# KiCad board panel.kicad_pcb
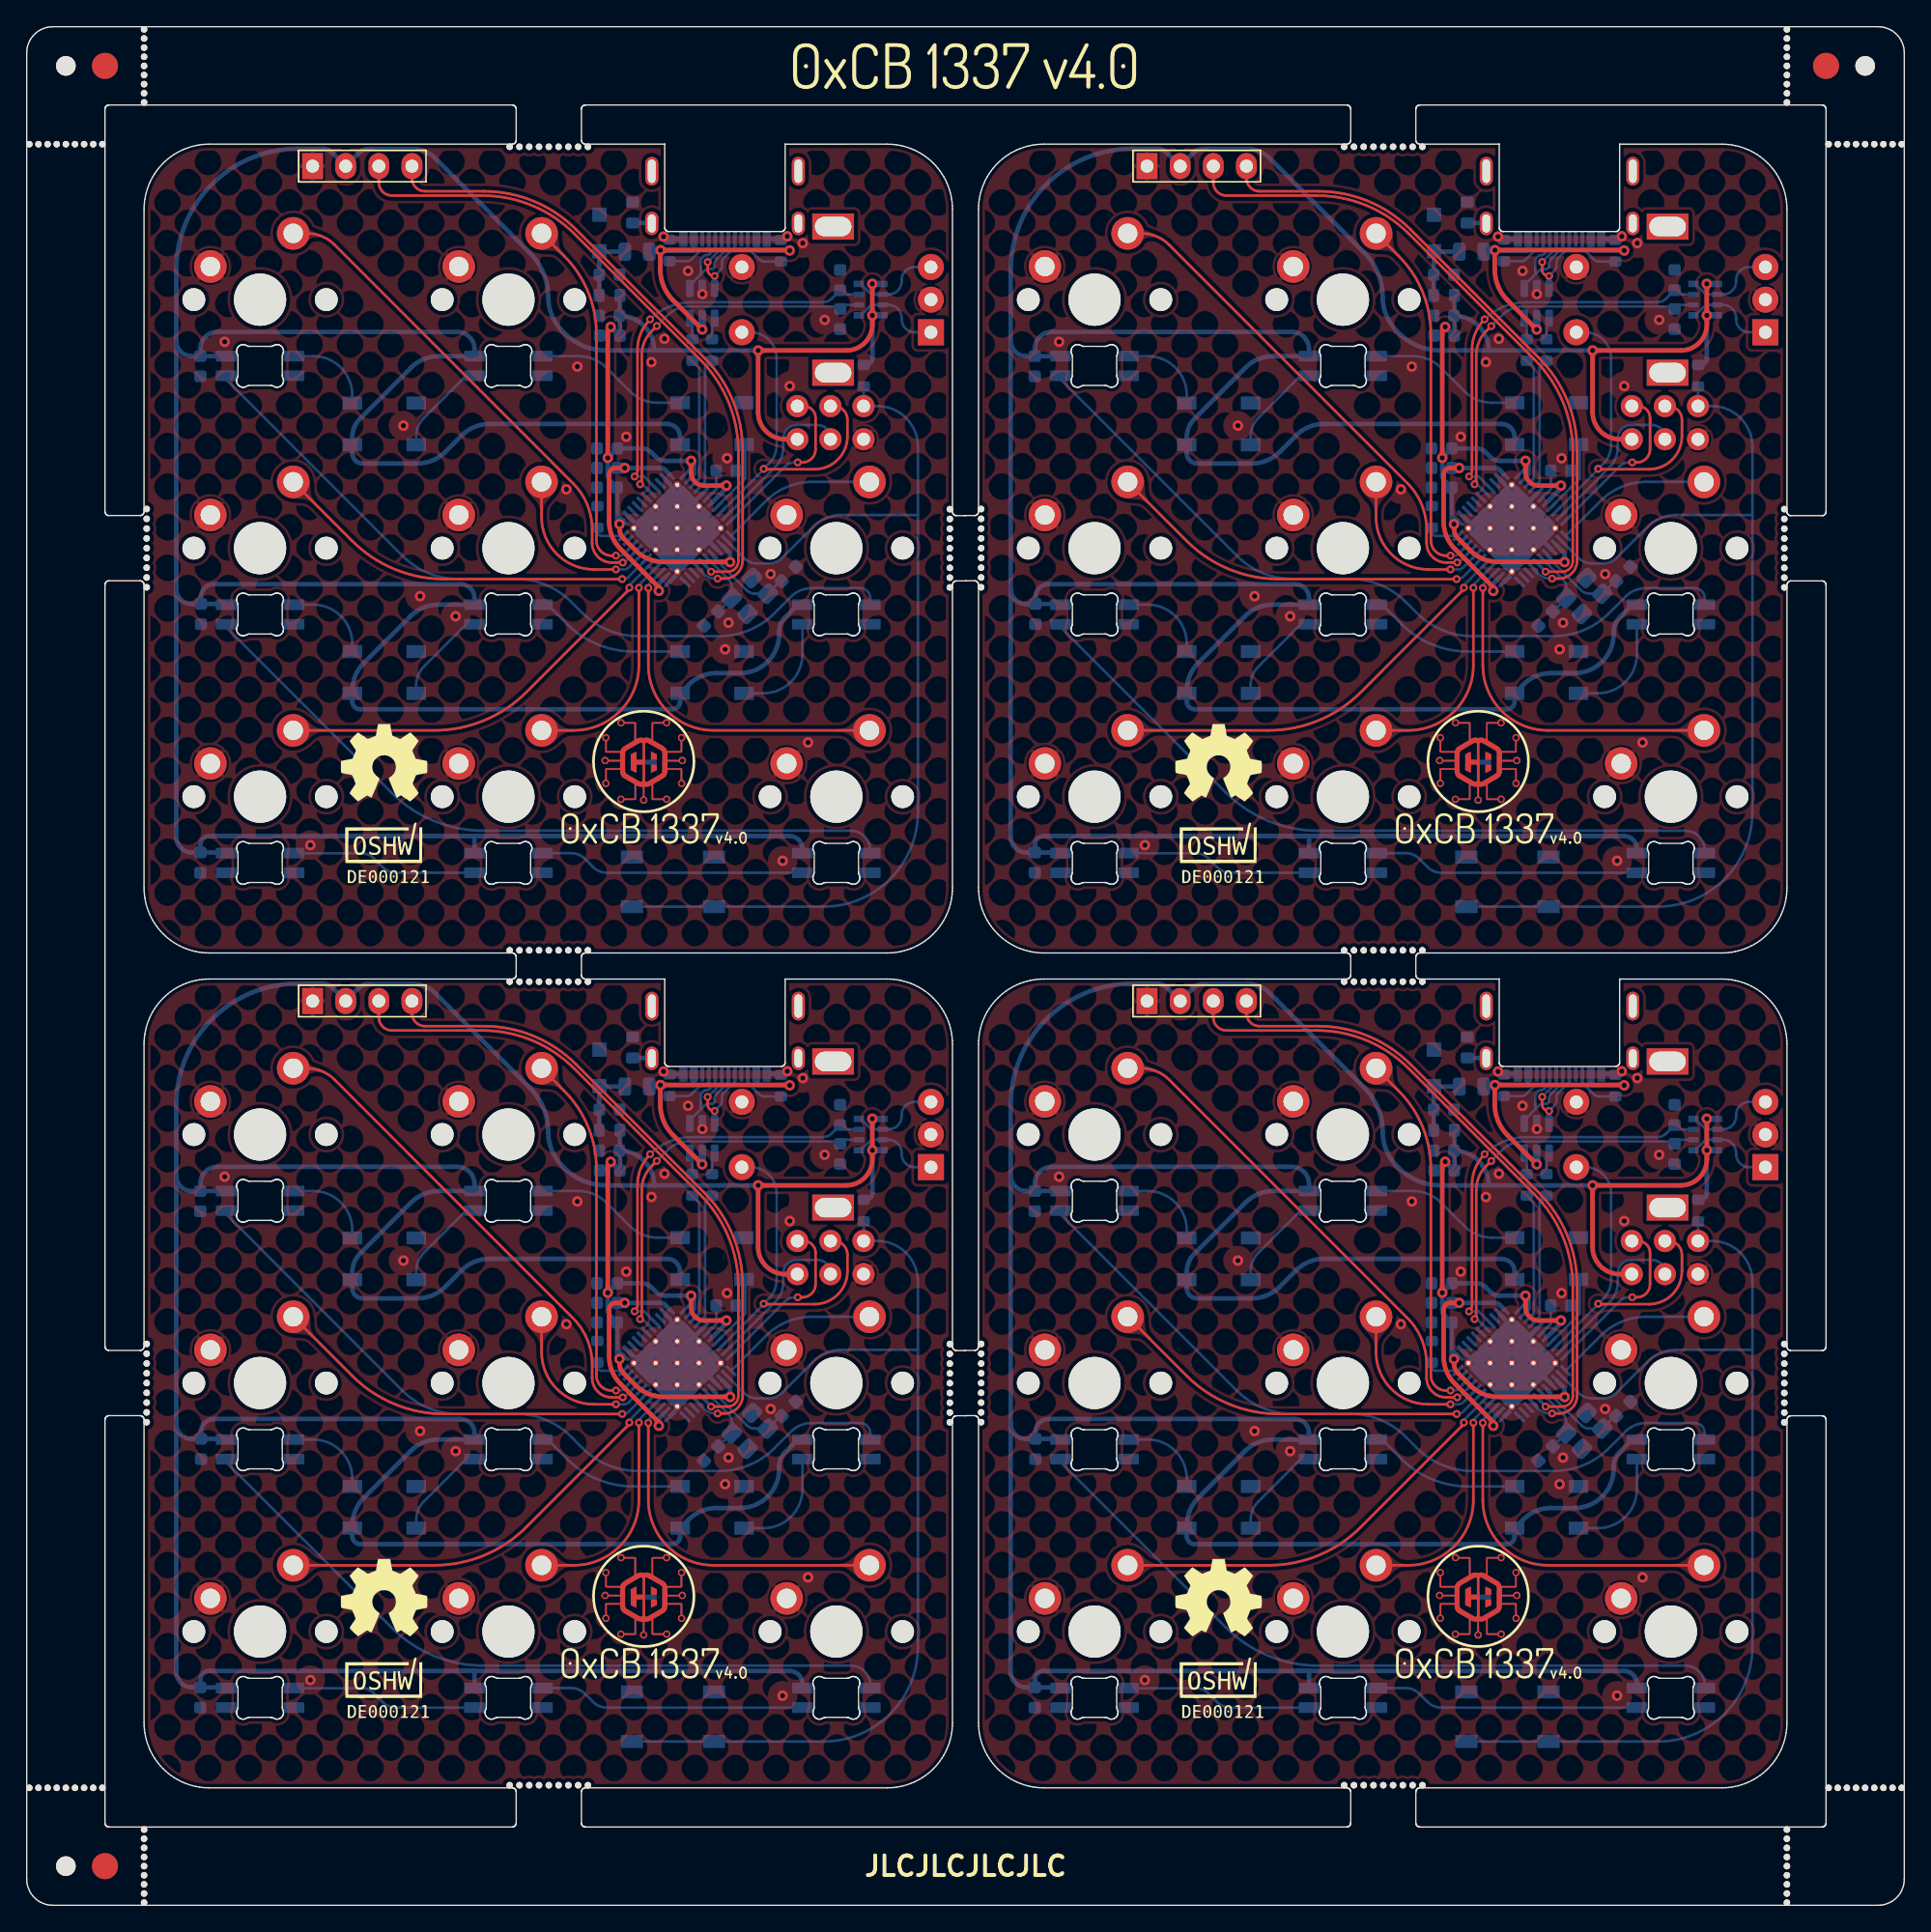
[diagram p0: board, top side]
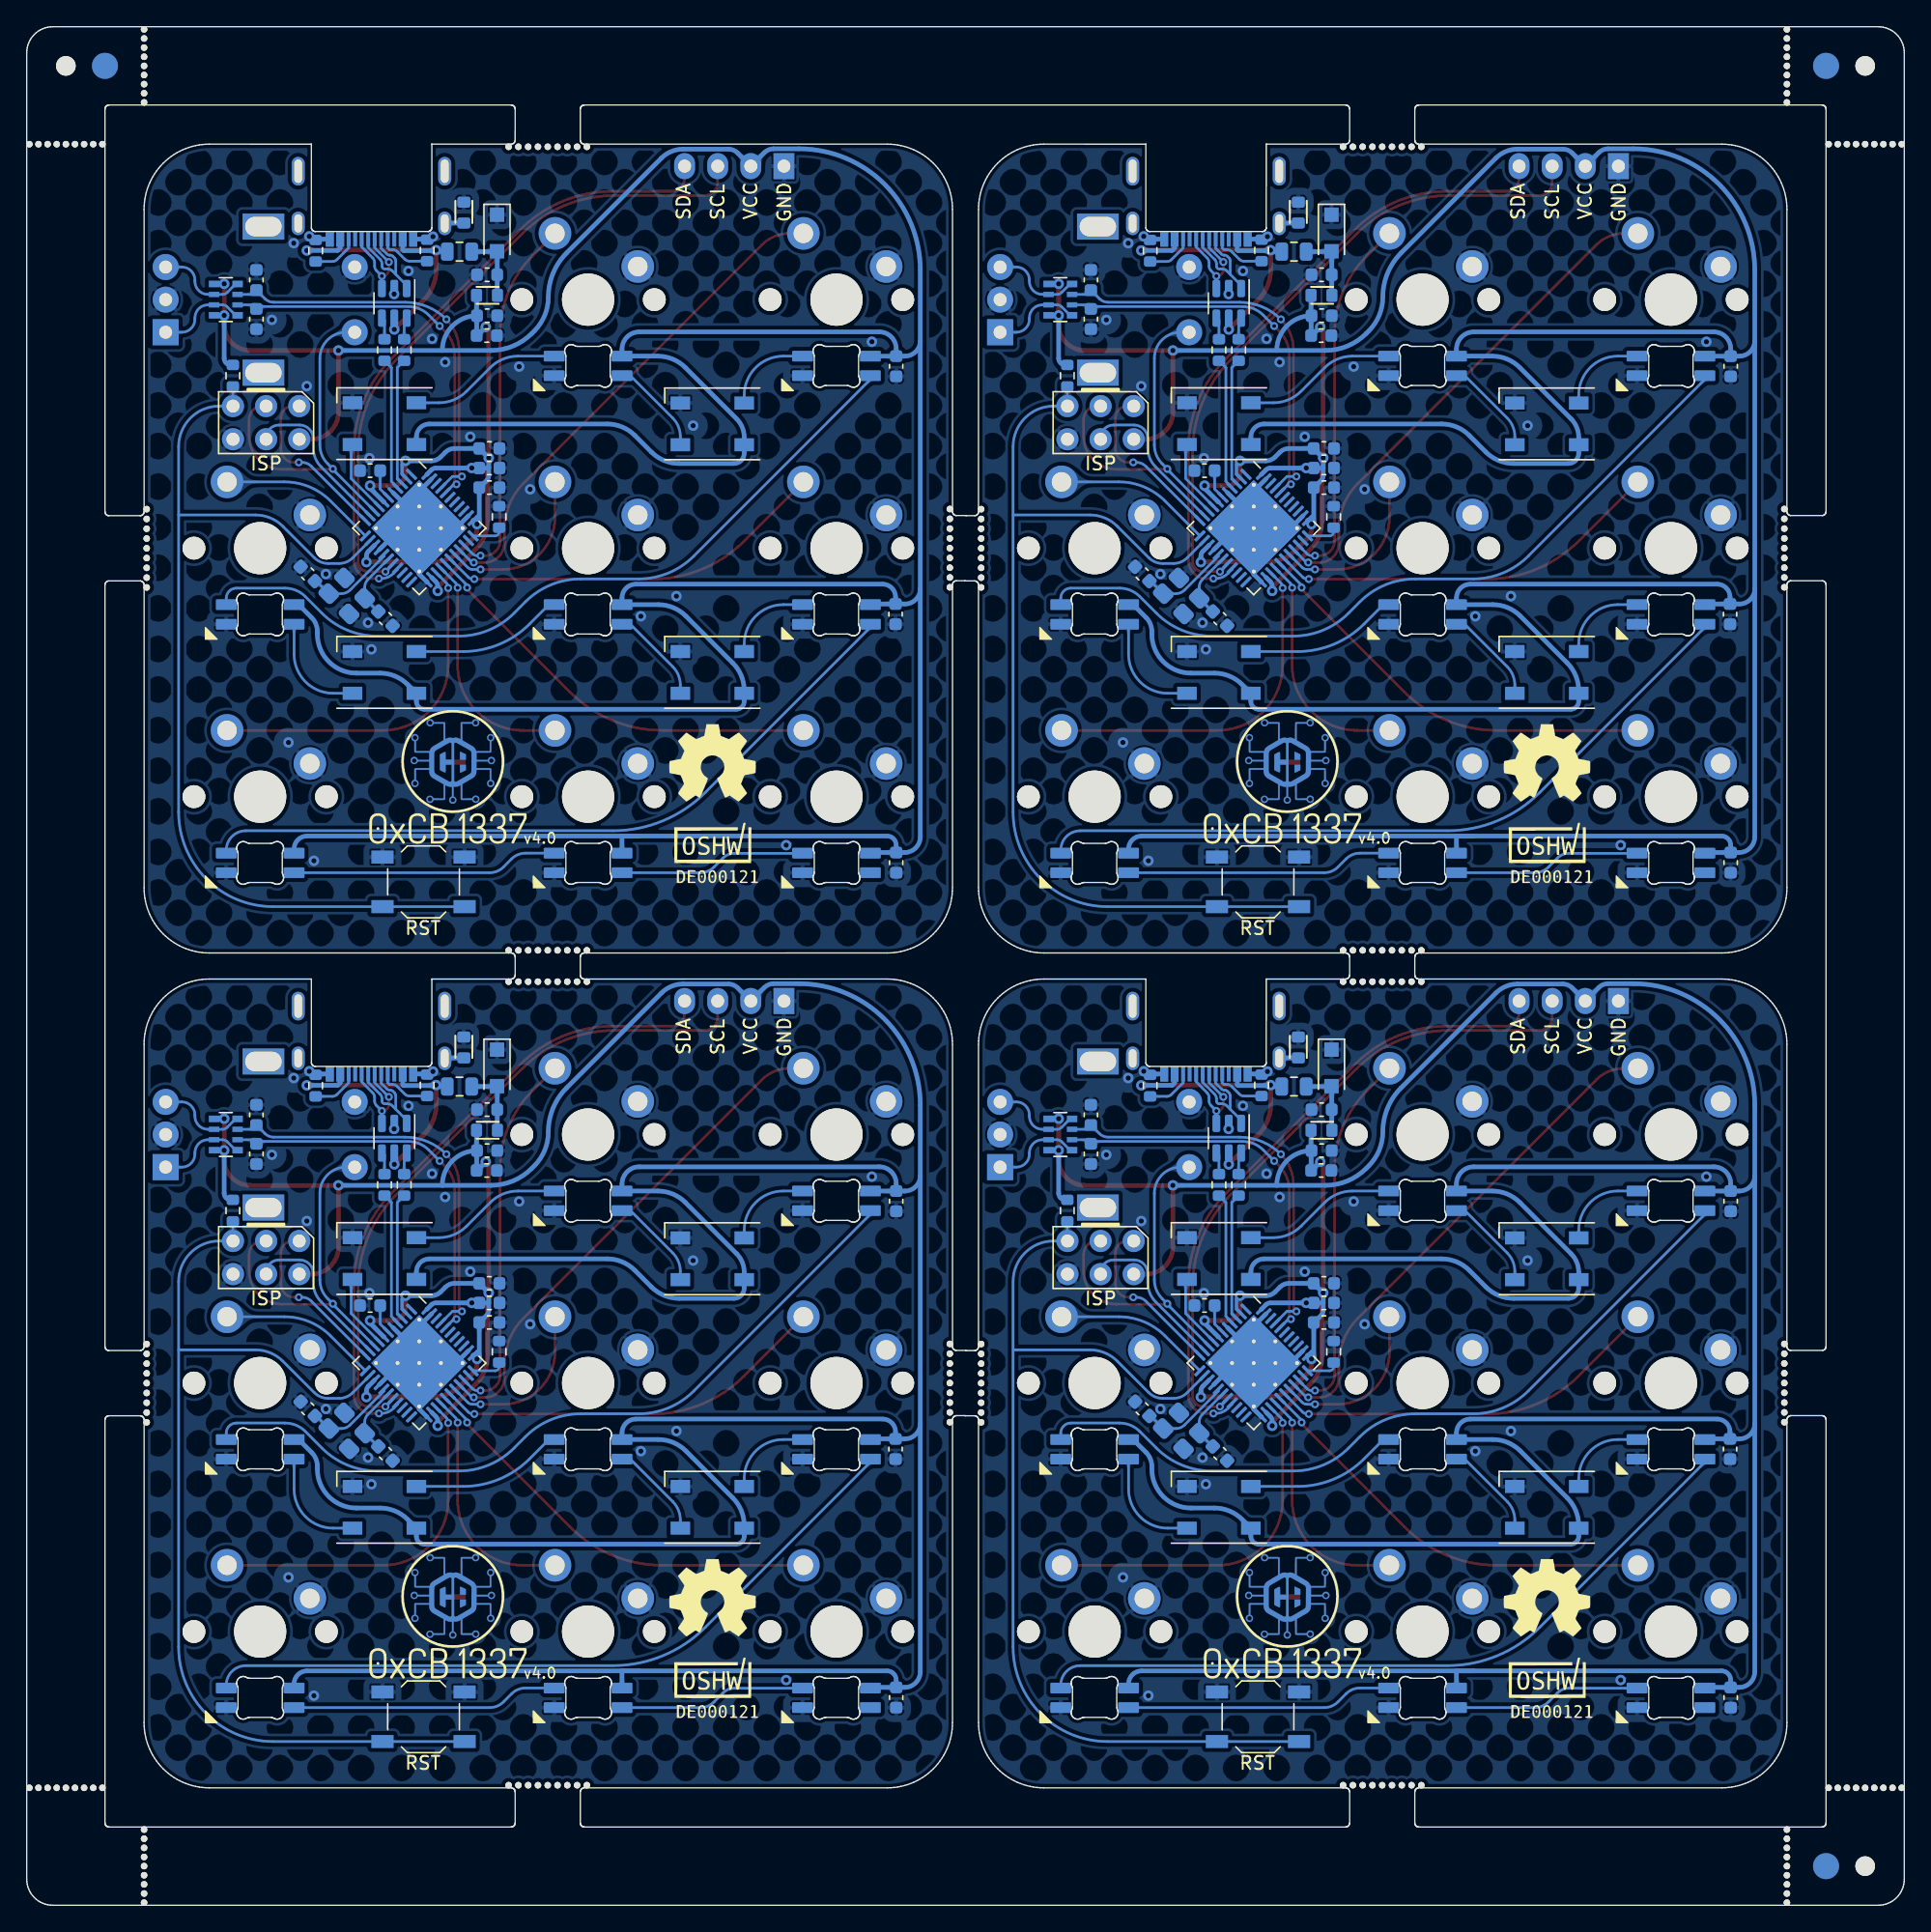
[diagram p1: board, bottom side, seen from below]

Outline 144 x 144 mm; copper layers: Top, Bottom. Coordinates in mm from the lower left corner of the outline.
Stack: Top 0.035mm / dielectric 1.51mm FR4 er 4.5 / Bottom 0.035mm

## Placement (name value [footprint] x y rotation side)
C1  10u  [C_0603_1608Metric]  108.69 124.99 0 bottom
C1#2  10u  [C_0603_1608Metric]  108.69 60.99 0 bottom
C1#3  10u  [C_0603_1608Metric]  44.69 124.99 0 bottom
C1#4  10u  [C_0603_1608Metric]  44.69 60.99 0 bottom
C2  100n  [C_0603_1608Metric]  62.38 60.59 90 bottom
C2#2  100n  [C_0603_1608Metric]  126.38 60.59 90 bottom
C2#3  100n  [C_0603_1608Metric]  62.38 124.59 90 bottom
C2#4  100n  [C_0603_1608Metric]  126.38 124.59 90 bottom
C3  1u  [C_0603_1608Metric]  108.69 57.85 180 bottom
C3#2  1u  [C_0603_1608Metric]  44.69 57.85 180 bottom
C3#3  1u  [C_0603_1608Metric]  108.69 121.85 180 bottom
C3#4  1u  [C_0603_1608Metric]  44.69 121.85 180 bottom
C4  100n  [C_0603_1608Metric]  126.38 121.6 270 bottom
C4#2  100n  [C_0603_1608Metric]  126.38 57.6 270 bottom
C4#3  100n  [C_0603_1608Metric]  62.38 121.6 270 bottom
C4#4  100n  [C_0603_1608Metric]  62.38 57.6 270 bottom
C5  1u  [C_0603_1608Metric]  108.71 56.33 180 bottom
C5#2  1u  [C_0603_1608Metric]  108.71 120.33 180 bottom
C5#3  1u  [C_0603_1608Metric]  44.71 120.33 180 bottom
C5#4  1u  [C_0603_1608Metric]  44.71 56.33 180 bottom
C6  100n  [C_0603_1608Metric]  13.31 53.98 270 bottom
C6#2  100n  [C_0603_1608Metric]  77.31 117.98 270 bottom
C6#3  100n  [C_0603_1608Metric]  77.31 53.98 270 bottom
C6#4  100n  [C_0603_1608Metric]  13.31 117.98 270 bottom
C7  100n  [C_0603_1608Metric]  44.51 111.68 180 bottom
C7#2  100n  [C_0603_1608Metric]  44.51 47.68 180 bottom
C7#3  100n  [C_0603_1608Metric]  108.51 47.68 180 bottom
C7#4  100n  [C_0603_1608Metric]  108.51 111.68 180 bottom
C8  100n  [C_0603_1608Metric]  44.51 46.18 180 bottom
C8#2  100n  [C_0603_1608Metric]  108.51 46.18 180 bottom
C8#3  100n  [C_0603_1608Metric]  44.51 110.18 180 bottom
C8#4  100n  [C_0603_1608Metric]  108.51 110.18 180 bottom
C9  1u  [C_0603_1608Metric]  53.66 45.98 0 bottom
C9#2  1u  [C_0603_1608Metric]  53.66 109.98 0 bottom
C9#3  1u  [C_0603_1608Metric]  117.66 109.98 0 bottom
C9#4  1u  [C_0603_1608Metric]  117.66 45.98 0 bottom
C10  100n  [C_0603_1608Metric]  108.51 108.68 180 bottom
C10#2  100n  [C_0603_1608Metric]  108.51 44.68 180 bottom
C10#3  100n  [C_0603_1608Metric]  44.51 44.68 180 bottom
C10#4  100n  [C_0603_1608Metric]  44.51 108.68 180 bottom
C11  22p  [C_0603_1608Metric]  122.44 102.06 225 bottom
C11#2  22p  [C_0603_1608Metric]  122.44 38.06 225 bottom
C11#3  22p  [C_0603_1608Metric]  58.44 38.06 225 bottom
C11#4  22p  [C_0603_1608Metric]  58.44 102.06 225 bottom
C12  100n  [C_0603_1608Metric]  13.36 34.98 270 bottom
C12#2  100n  [C_0603_1608Metric]  77.36 98.98 270 bottom
C12#3  100n  [C_0603_1608Metric]  77.36 34.98 270 bottom
C12#4  100n  [C_0603_1608Metric]  13.36 98.98 270 bottom
C13  22p  [C_0603_1608Metric]  116.48 34.63 45 bottom
C13#2  22p  [C_0603_1608Metric]  52.48 98.63 45 bottom
C13#3  22p  [C_0603_1608Metric]  116.48 98.63 45 bottom
C13#4  22p  [C_0603_1608Metric]  52.48 34.63 45 bottom
C14  100n  [C_0603_1608Metric]  77.31 15.93 270 bottom
C14#2  100n  [C_0603_1608Metric]  77.31 79.93 270 bottom
C14#3  100n  [C_0603_1608Metric]  13.31 15.93 270 bottom
C14#4  100n  [C_0603_1608Metric]  13.31 79.93 270 bottom
D1  SK6812MINI-E  [MX_SK6812MINI-E]  17.9 59.08 0 top
D1#2  SK6812MINI-E  [MX_SK6812MINI-E]  81.9 59.08 0 top
D1#3  SK6812MINI-E  [MX_SK6812MINI-E]  17.9 123.08 0 top
D1#4  SK6812MINI-E  [MX_SK6812MINI-E]  81.9 123.08 0 top
D2  SK6812MINI-E  [MX_SK6812MINI-E]  100.95 123.08 0 top
D2#2  SK6812MINI-E  [MX_SK6812MINI-E]  100.95 59.08 0 top
D2#3  SK6812MINI-E  [MX_SK6812MINI-E]  36.95 123.08 0 top
D2#4  SK6812MINI-E  [MX_SK6812MINI-E]  36.95 59.08 0 top
D3  SK6812MINI-E  [MX_SK6812MINI-E]  81.9 40.03 0 top
D3#2  SK6812MINI-E  [MX_SK6812MINI-E]  81.9 104.03 0 top
D3#3  SK6812MINI-E  [MX_SK6812MINI-E]  17.9 40.03 0 top
D3#4  SK6812MINI-E  [MX_SK6812MINI-E]  17.9 104.03 0 top
D4  SK6812MINI-E  [MX_SK6812MINI-E]  36.95 104.03 0 top
D4#2  SK6812MINI-E  [MX_SK6812MINI-E]  100.95 104.03 0 top
D4#3  SK6812MINI-E  [MX_SK6812MINI-E]  100.95 40.03 0 top
D4#4  SK6812MINI-E  [MX_SK6812MINI-E]  36.95 40.03 0 top
D5  SK6812MINI-E  [MX_SK6812MINI-E]  62.1 104.03 0 top
D5#2  SK6812MINI-E  [MX_SK6812MINI-E]  126.1 40.03 0 top
D5#3  SK6812MINI-E  [MX_SK6812MINI-E]  126.1 104.03 0 top
D5#4  SK6812MINI-E  [MX_SK6812MINI-E]  62.1 40.03 0 top
D6  SK6812MINI-E  [MX_SK6812MINI-E]  81.9 20.98 0 top
D6#2  SK6812MINI-E  [MX_SK6812MINI-E]  81.9 84.98 0 top
D6#3  SK6812MINI-E  [MX_SK6812MINI-E]  17.9 20.98 0 top
D6#4  SK6812MINI-E  [MX_SK6812MINI-E]  17.9 84.98 0 top
D7  SK6812MINI-E  [MX_SK6812MINI-E]  100.95 20.98 0 top
D7#2  SK6812MINI-E  [MX_SK6812MINI-E]  100.95 84.98 0 top
D7#3  SK6812MINI-E  [MX_SK6812MINI-E]  36.95 84.98 0 top
D7#4  SK6812MINI-E  [MX_SK6812MINI-E]  36.95 20.98 0 top
D8  SK6812MINI-E  [MX_SK6812MINI-E]  62.1 84.98 0 top
D8#2  SK6812MINI-E  [MX_SK6812MINI-E]  126.1 84.98 0 top
D8#3  SK6812MINI-E  [MX_SK6812MINI-E]  62.1 20.98 0 top
D8#4  SK6812MINI-E  [MX_SK6812MINI-E]  126.1 20.98 0 top
D9  SMF5.0CA  [D_SOD-123F]  107.93 64.19 270 bottom
D9#2  SMF5.0CA  [D_SOD-123F]  107.93 128.19 270 bottom
D9#3  SMF5.0CA  [D_SOD-123F]  43.93 128.19 270 bottom
D9#4  SMF5.0CA  [D_SOD-123F]  43.93 64.19 270 bottom
D10  WS2812B  [LED_WS2812B_PLCC4_5.0x5.0mm_P3.2mm]  52.56 49.58 0 bottom
D10#2  WS2812B  [LED_WS2812B_PLCC4_5.0x5.0mm_P3.2mm]  116.56 49.58 0 bottom
D10#3  WS2812B  [LED_WS2812B_PLCC4_5.0x5.0mm_P3.2mm]  52.56 113.58 0 bottom
D10#4  WS2812B  [LED_WS2812B_PLCC4_5.0x5.0mm_P3.2mm]  116.56 113.58 0 bottom
D11  WS2812B  [LED_WS2812B_PLCC4_5.0x5.0mm_P3.2mm]  91.42 113.56 0 bottom
D11#2  WS2812B  [LED_WS2812B_PLCC4_5.0x5.0mm_P3.2mm]  91.42 49.56 0 bottom
D11#3  WS2812B  [LED_WS2812B_PLCC4_5.0x5.0mm_P3.2mm]  27.42 113.56 0 bottom
D11#4  WS2812B  [LED_WS2812B_PLCC4_5.0x5.0mm_P3.2mm]  27.42 49.56 0 bottom
D12  WS2812B  [LED_WS2812B_PLCC4_5.0x5.0mm_P3.2mm]  116.56 30.51 0 bottom
D12#2  WS2812B  [LED_WS2812B_PLCC4_5.0x5.0mm_P3.2mm]  52.56 94.51 0 bottom
D12#3  WS2812B  [LED_WS2812B_PLCC4_5.0x5.0mm_P3.2mm]  52.56 30.51 0 bottom
D12#4  WS2812B  [LED_WS2812B_PLCC4_5.0x5.0mm_P3.2mm]  116.56 94.51 0 bottom
D13  WS2812B  [LED_WS2812B_PLCC4_5.0x5.0mm_P3.2mm]  27.42 94.51 0 bottom
D13#2  WS2812B  [LED_WS2812B_PLCC4_5.0x5.0mm_P3.2mm]  91.42 94.51 0 bottom
D13#3  WS2812B  [LED_WS2812B_PLCC4_5.0x5.0mm_P3.2mm]  91.42 30.51 0 bottom
D13#4  WS2812B  [LED_WS2812B_PLCC4_5.0x5.0mm_P3.2mm]  27.42 30.51 0 bottom
F1  1A  [Fuse_0805_2012Metric]  110.81 62.76 180 bottom
F1#2  1A  [Fuse_0805_2012Metric]  110.81 126.76 180 bottom
F1#3  1A  [Fuse_0805_2012Metric]  46.81 62.76 180 bottom
F1#4  1A  [Fuse_0805_2012Metric]  46.81 126.76 180 bottom
FB1  600R  [Ferrite_Bead_0603]  110.47 65.76 270 bottom
FB1#2  600R  [Ferrite_Bead_0603]  110.47 129.76 270 bottom
FB1#3  600R  [Ferrite_Bead_0603]  46.47 129.76 270 bottom
FB1#4  600R  [Ferrite_Bead_0603]  46.47 65.76 270 bottom
FB2  600R  [Ferrite_Bead_0603]  44.7 59.41 0 bottom
FB2#2  600R  [Ferrite_Bead_0603]  108.7 123.41 0 bottom
FB2#3  600R  [Ferrite_Bead_0603]  44.7 123.41 0 bottom
FB2#4  600R  [Ferrite_Bead_0603]  108.7 59.41 0 bottom
G***  -  [OSHWA]  27.38 16.63 0 top
G***#2  -  [OSHWA]  27.38 80.63 0 top
G***#3  -  [OSHWA]  91.38 80.63 0 top
G***#4  -  [OSHWA]  91.38 16.63 0 top
G***#5  -  [OSHWA]  91.38 16.63 180 bottom
G***#6  LOGO  [logo]  111.32 87.68 180 bottom
G***#7  -  [OSHWA]  27.38 16.63 180 bottom
G***#8  -  [OSHWA]  91.38 80.63 180 bottom
G***#9  LOGO  [logo]  47.32 87.68 180 bottom
G***#10  LOGO  [logo]  47.32 23.68 180 bottom
G***#11  -  [OSHWA]  27.38 80.63 180 bottom
G***#12  LOGO  [logo]  111.32 23.68 180 bottom
J1  USB_IN  [molex2169900001]  117.56 135.03 0 bottom
J1#2  USB_IN  [molex2169900001]  53.56 135.03 0 bottom
J1#3  USB_IN  [molex2169900001]  53.56 71.03 0 bottom
J1#4  USB_IN  [molex2169900001]  117.56 71.03 0 bottom
J2  AVR-ISP-6  [AVR_PROG_2.54_THT]  125.64 113.65 0 bottom
J2#2  AVR-ISP-6  [AVR_PROG_2.54_THT]  61.64 49.65 0 bottom
J2#3  AVR-ISP-6  [AVR_PROG_2.54_THT]  61.64 113.65 0 bottom
J2#4  AVR-ISP-6  [AVR_PROG_2.54_THT]  125.64 49.65 0 bottom
kibuzzard-61BA68AC  G***  [kibuzzard-61BA68AC]  111.05 82.54 0 top
kibuzzard-61BA68AC#2  G***  [kibuzzard-61BA68AC]  47.05 82.54 0 top
kibuzzard-61BA68AC#3  G***  [kibuzzard-61BA68AC]  47.05 18.54 0 top
kibuzzard-61BA68AC#4  G***  [kibuzzard-61BA68AC]  111.05 18.54 0 top
kibuzzard-61BA68AC#5  G***  [kibuzzard-61BA68AC]  111.69 18.54 180 bottom
kibuzzard-61BA68AC#6  G***  [kibuzzard-61BA68AC]  47.69 82.54 180 bottom
kibuzzard-61BA68AC#7  G***  [kibuzzard-61BA68AC]  111.69 82.54 180 bottom
kibuzzard-61BA68AC#8  G***  [kibuzzard-61BA68AC]  47.69 18.54 180 bottom
kibuzzard-61DB1B97  G***  [kibuzzard-61DB1B97]  71.93 140.98 0 top
MX1  MX  [SW_Cherry_MX_PCB_1.00u]  17.9 59.08 0 top
MX1#2  MX  [SW_Cherry_MX_PCB_1.00u]  81.9 59.08 0 top
MX1#3  MX  [SW_Cherry_MX_PCB_1.00u]  17.9 123.08 0 top
MX1#4  MX  [SW_Cherry_MX_PCB_1.00u]  81.9 123.08 0 top
MX2  MX  [SW_Cherry_MX_PCB_1.00u]  36.95 59.08 0 top
MX2#2  MX  [SW_Cherry_MX_PCB_1.00u]  100.95 59.08 0 top
MX2#3  MX  [SW_Cherry_MX_PCB_1.00u]  36.95 123.08 0 top
MX2#4  MX  [SW_Cherry_MX_PCB_1.00u]  100.95 123.08 0 top
MX3  -  [EC11]  133.35 56.58 180 top
MX3#2  -  [EC11]  69.35 56.58 180 top
MX3#3  -  [EC11]  69.35 120.58 180 top
MX3#4  -  [EC11]  133.35 120.58 180 top
MX4  MX  [SW_Cherry_MX_PCB_1.00u]  81.9 104.03 0 top
MX4#2  MX  [SW_Cherry_MX_PCB_1.00u]  17.9 104.03 0 top
MX4#3  MX  [SW_Cherry_MX_PCB_1.00u]  81.9 40.03 0 top
MX4#4  MX  [SW_Cherry_MX_PCB_1.00u]  17.9 40.03 0 top
MX5  MX  [SW_Cherry_MX_PCB_1.00u]  36.95 104.03 0 top
MX5#2  MX  [SW_Cherry_MX_PCB_1.00u]  100.95 40.03 0 top
MX5#3  MX  [SW_Cherry_MX_PCB_1.00u]  36.95 40.03 0 top
MX5#4  MX  [SW_Cherry_MX_PCB_1.00u]  100.95 104.03 0 top
MX6  MX  [SW_Cherry_MX_PCB_1.00u]  62.1 40.03 0 top
MX6#2  MX  [SW_Cherry_MX_PCB_1.00u]  126.1 40.03 0 top
MX6#3  MX  [SW_Cherry_MX_PCB_1.00u]  126.1 104.03 0 top
MX6#4  MX  [SW_Cherry_MX_PCB_1.00u]  62.1 104.03 0 top
MX7  MX  [SW_Cherry_MX_PCB_1.00u]  81.9 84.98 0 top
MX7#2  MX  [SW_Cherry_MX_PCB_1.00u]  17.9 84.98 0 top
MX7#3  MX  [SW_Cherry_MX_PCB_1.00u]  81.9 20.98 0 top
MX7#4  MX  [SW_Cherry_MX_PCB_1.00u]  17.9 20.98 0 top
MX8  MX  [SW_Cherry_MX_PCB_1.00u]  36.95 20.98 0 top
MX8#2  MX  [SW_Cherry_MX_PCB_1.00u]  100.95 20.98 0 top
MX8#3  MX  [SW_Cherry_MX_PCB_1.00u]  36.95 84.98 0 top
MX8#4  MX  [SW_Cherry_MX_PCB_1.00u]  100.95 84.98 0 top
MX9  MX  [SW_Cherry_MX_PCB_1.00u]  62.1 20.98 0 top
MX9#2  MX  [SW_Cherry_MX_PCB_1.00u]  126.1 20.98 0 top
MX9#3  MX  [SW_Cherry_MX_PCB_1.00u]  126.1 84.98 0 top
MX9#4  MX  [SW_Cherry_MX_PCB_1.00u]  62.1 84.98 0 top
R1  5.1k  [R_0603_1608Metric]  57.84 126.83 270 bottom
R1#2  5.1k  [R_0603_1608Metric]  121.84 62.83 270 bottom
R1#3  5.1k  [R_0603_1608Metric]  121.84 126.83 270 bottom
R1#4  5.1k  [R_0603_1608Metric]  57.84 62.83 270 bottom
R2  5.1k  [R_0603_1608Metric]  113.29 126.86 90 bottom
R2#2  5.1k  [R_0603_1608Metric]  113.29 62.86 90 bottom
R2#3  5.1k  [R_0603_1608Metric]  49.29 62.86 90 bottom
R2#4  5.1k  [R_0603_1608Metric]  49.29 126.86 90 bottom
R3  22  [R_0603_1608Metric]  52.56 55.22 90 bottom
R3#2  22  [R_0603_1608Metric]  116.56 55.22 90 bottom
R3#3  22  [R_0603_1608Metric]  116.56 119.22 90 bottom
R3#4  22  [R_0603_1608Metric]  52.56 119.22 90 bottom
R4  22  [R_0603_1608Metric]  115.05 55.22 90 bottom
R4#2  22  [R_0603_1608Metric]  115.05 119.22 90 bottom
R4#3  22  [R_0603_1608Metric]  51.05 119.22 90 bottom
R4#4  22  [R_0603_1608Metric]  51.05 55.22 90 bottom
R5  10k  [R_0603_1608Metric]  128.19 117.25 90 bottom
R5#2  10k  [R_0603_1608Metric]  128.19 53.25 90 bottom
R5#3  10k  [R_0603_1608Metric]  64.19 117.25 90 bottom
R5#4  10k  [R_0603_1608Metric]  64.19 53.25 90 bottom
R6  10k  [R_0603_1608Metric]  43.76 42.43 270 bottom
R6#2  10k  [R_0603_1608Metric]  43.76 106.43 270 bottom
R6#3  10k  [R_0603_1608Metric]  107.76 42.43 270 bottom
R6#4  10k  [R_0603_1608Metric]  107.76 106.43 270 bottom
REF**  -  [NPTH]  40.79 70.8 0 top
REF**#2  -  [NPTH]  70.8 104.77 0 top
REF**#3  -  [NPTH]  73.2 101.03 0 top
REF**#4  -  [NPTH]  135 141 0 top
REF**#5  -  [NPTH]  106.29 9.2 0 top
REF**#6  -  [NPTH]  104.79 70.8 0 top
REF**#7  -  [NPTH]  104.79 134.8 0 top
REF**#8  -  [NPTH]  40.04 73.2 0 top
REF**#9  -  [NPTH]  37.04 9.2 0 top
REF**#10  -  [NPTH]  37.79 73.2 0 top
REF**#11  -  [NPTH]  134.8 103.27 0 top
REF**#12  -  [NPTH]  42.29 73.2 0 top
REF**#13  -  [NPTH]  40.79 73.2 0 top
REF**#14  -  [NPTH]  135 142.4 0 top
REF**#15  -  [NPTH]  134.8 107.02 0 top
REF**#16  -  [NPTH]  70.8 101.02 0 top
REF**#17  -  [NPTH]  104.04 9.2 0 top
REF**#18  -  [NPTH]  141 135 0 top
REF**#19  -  [NPTH]  9 0.9 0 top
REF**#20  -  [NPTH]  141.7 9 0 top
REF**#21  -  [NPTH]  70.8 43.02 0 top
REF**#22  -  [NPTH]  9 143.1 0 top
REF**#23  -  [NPTH]  73.2 40.03 0 top
REF**#24  -  [NPTH]  70.8 37.02 0 top
REF**#25  -  [NPTH]  73.2 42.28 0 top
REF**#26  -  [NPTH]  37.79 70.8 0 top
REF**#27  -  [NPTH]  9.2 102.53 0 top
REF**#28  -  [NPTH]  135 0.2 0 top
REF**#29  -  [NPTH]  134.8 37.02 0 top
REF**#30  -  [NPTH]  104.04 70.8 0 top
REF**#31  -  [NPTH]  134.8 104.77 0 top
REF**#32  -  [NPTH]  40.79 9.2 0 top
REF**#33  -  [NPTH]  9.2 38.53 0 top
REF**#34  -  [NPTH#2]  3 3 0 top
REF**#35  -  [NPTH]  143.8 135 0 top
REF**#36  -  [NPTH]  101.79 73.2 0 top
REF**#37  -  [OSHW-Symbol_6.7x6mm_SilkScreen]  27.4 87.57 0 top
REF**#38  -  [NPTH]  38.54 73.2 0 top
REF**#39  -  [NPTH]  70.8 38.52 0 top
REF**#40  -  [NPTH]  40.04 70.8 0 top
REF**#41  -  [NPTH]  107.04 73.2 0 top
REF**#42  -  [NPTH]  134.8 101.02 0 top
REF**#43  -  [NPTH]  143.1 9 0 top
REF**#44  -  [NPTH]  5.1 9 0 top
REF**#45  -  [NPTH]  139.6 135 0 top
REF**#46  -  [NPTH]  9 5.8 0 top
REF**#47  -  [NPTH]  70.8 39.27 0 top
REF**#48  -  [NPTH]  2.3 135 0 top
REF**#49  -  [NPTH]  142.4 9 0 top
REF**#50  -  [NPTH]  9 138.2 0 top
REF**#51  -  [NPTH]  102.54 70.8 0 top
REF**#52  -  [NPTH]  135 0.9 0 top
REF**#53  -  [NPTH]  70.8 105.52 0 top
REF**#54  -  [NPTH]  102.54 134.8 0 top
REF**#55  -  [NPTH]  9.2 37.03 0 top
REF**#56  -  [NPTH]  70.8 102.52 0 top
REF**#57  -  [NPTH]  9 138.9 0 top
REF**#58  -  [NPTH]  134.8 101.77 0 top
REF**#59  -  [NPTH]  9.2 107.03 0 top
REF**#60  -  [NPTH]  73.2 107.03 0 top
REF**#61  -  [NPTH]  73.2 106.28 0 top
REF**#62  -  [NPTH]  135 5.1 0 top
REF**#63  -  [NPTH]  39.29 9.2 0 top
REF**#64  -  [NPTH]  9.2 104.78 0 top
REF**#65  -  [NPTH]  3.7 9 0 top
REF**#66  -  [NPTH]  4.4 135 0 top
REF**#67  -  [NPTH]  105.54 73.2 0 top
REF**#68  -  [NPTH]  9 140.3 0 top
REF**#69  -  [NPTH]  9 143.8 0 top
REF**#70  -  [NPTH]  134.8 40.77 0 top
REF**#71  -  [NPTH]  0.2 135 0 top
REF**#72  -  [NPTH]  104.79 9.2 0 top
REF**#73  -  [NPTH]  37.04 70.8 0 top
REF**#74  -  [NPTH]  70.8 41.52 0 top
REF**#75  -  [Fiducial]  6 3 0 top
REF**#76  -  [NPTH]  103.29 70.8 0 top
REF**#77  -  [NPTH]  73.2 39.28 0 top
REF**#78  -  [NPTH]  37.04 73.2 0 top
REF**#79  -  [NPTH]  134.8 38.52 0 top
REF**#80  -  [NPTH]  70.8 106.27 0 top
REF**#81  -  [NPTH]  9 139.6 0 top
REF**#82  -  [NPTH]  39.29 70.8 0 top
REF**#83  -  [NPTH]  2.3 9 0 top
REF**#84  -  [NPTH]  41.54 134.8 0 top
REF**#85  -  [NPTH]  141 9 0 top
REF**#86  -  [NPTH]  140.3 135 0 top
REF**#87  -  [NPTH]  40.04 9.2 0 top
REF**#88  -  [NPTH]  9.2 105.53 0 top
REF**#89  -  [NPTH]  134.8 42.27 0 top
REF**#90  -  [NPTH]  102.54 9.2 0 top
REF**#91  -  [NPTH]  138.2 9 0 top
REF**#92  -  [NPTH]  0.2 9 0 top
REF**#93  -  [NPTH]  101.79 70.8 0 top
REF**#94  -  [NPTH]  138.9 9 0 top
REF**#95  -  [Fiducial]  138 141 0 top
REF**#96  -  [NPTH]  106.29 134.8 0 top
REF**#97  -  [NPTH]  9 0.2 0 top
REF**#98  -  [NPTH]  70.8 107.02 0 top
REF**#99  -  [NPTH]  43.04 134.8 0 top
REF**#100  -  [NPTH]  9 1.6 0 top
REF**#101  -  [NPTH]  138.9 135 0 top
REF**#102  -  [NPTH]  3 135 0 top
REF**#103  -  [NPTH]  37.04 134.8 0 top
REF**#104  -  [NPTH]  70.8 103.27 0 top
REF**#105  -  [NPTH]  70.8 40.77 0 top
REF**#106  -  [NPTH]  9.2 43.03 0 top
REF**#107  -  [NPTH]  3.7 135 0 top
REF**#108  -  [NPTH]  38.54 134.8 0 top
REF**#109  -  [NPTH]  73.2 43.03 0 top
REF**#110  -  [NPTH]  37.79 134.8 0 top
REF**#111  -  [NPTH]  135 5.8 0 top
REF**#112  -  [NPTH]  105.54 9.2 0 top
REF**#113  -  [NPTH]  101.04 73.2 0 top
REF**#114  -  [NPTH]  73.2 102.53 0 top
REF**#115  -  [NPTH]  41.54 70.8 0 top
REF**#116  -  [NPTH]  101.79 134.8 0 top
REF**#117  -  [NPTH]  9 141.7 0 top
REF**#118  -  [NPTH]  39.29 134.8 0 top
REF**#119  -  [NPTH]  134.8 37.77 0 top
REF**#120  -  [NPTH]  138.2 135 0 top
REF**#121  -  [NPTH]  43.04 9.2 0 top
REF**#122  -  [NPTH]  135 2.3 0 top
REF**#123  -  [NPTH]  9.2 104.03 0 top
REF**#124  -  [NPTH]  134.8 104.02 0 top
REF**#125  -  [OSHW-Symbol_6.7x6mm_SilkScreen]  27.4 23.57 0 top
REF**#126  -  [NPTH]  134.8 106.27 0 top
REF**#127  -  [Fiducial]  6 141 0 top
REF**#128  -  [NPTH]  73.2 104.03 0 top
REF**#129  -  [NPTH]  9.2 40.78 0 top
REF**#130  -  [NPTH]  140.3 9 0 top
REF**#131  -  [NPTH]  73.2 38.53 0 top
REF**#132  -  [NPTH]  135 3.7 0 top
REF**#133  -  [NPTH]  101.04 9.2 0 top
REF**#134  -  [NPTH]  9 2.3 0 top
REF**#135  -  [NPTH]  135 138.2 0 top
REF**#136  -  [NPTH]  73.2 104.78 0 top
REF**#137  -  [NPTH]  105.54 70.8 0 top
REF**#138  -  [NPTH]  134.8 105.52 0 top
REF**#139  -  [NPTH]  1.6 135 0 top
REF**#140  -  [NPTH#2]  3 141 0 top
REF**#141  -  [NPTH]  134.8 41.52 0 top
REF**#142  -  [NPTH]  143.8 9 0 top
REF**#143  -  [NPTH]  142.4 135 0 top
REF**#144  -  [NPTH]  9 141 0 top
REF**#145  -  [NPTH]  1.6 9 0 top
REF**#146  -  [NPTH]  103.29 134.8 0 top
REF**#147  -  [NPTH]  70.8 104.02 0 top
REF**#148  -  [NPTH]  134.8 43.02 0 top
REF**#149  -  [NPTH]  9.2 42.28 0 top
REF**#150  -  [NPTH]  143.1 135 0 top
REF**#151  -  [NPTH]  42.29 134.8 0 top
REF**#152  -  [NPTH]  39.29 73.2 0 top
REF**#153  -  [NPTH]  9.2 101.78 0 top
REF**#154  -  [NPTH]  42.29 9.2 0 top
REF**#155  -  [NPTH]  139.6 9 0 top
REF**#156  -  [NPTH]  135 143.8 0 top
REF**#157  -  [NPTH]  9.2 40.03 0 top
REF**#158  -  [NPTH]  38.54 9.2 0 top
REF**#159  -  [NPTH]  73.2 101.78 0 top
REF**#160  -  [NPTH]  9.2 41.53 0 top
REF**#161  -  [NPTH]  135 3 0 top
REF**#162  -  [NPTH]  73.2 103.28 0 top
REF**#163  -  [NPTH]  5.8 9 0 top
REF**#164  -  [NPTH]  9 3.7 0 top
REF**#165  -  [NPTH]  107.04 70.8 0 top
REF**#166  -  [NPTH]  37.79 9.2 0 top
REF**#167  -  [NPTH]  70.8 101.77 0 top
REF**#168  -  [NPTH]  73.2 105.53 0 top
REF**#169  -  [NPTH]  9 3 0 top
REF**#170  -  [NPTH]  135 140.3 0 top
REF**#171  -  [NPTH]  73.2 40.78 0 top
REF**#172  -  [NPTH]  106.29 73.2 0 top
REF**#173  -  [NPTH]  70.8 40.02 0 top
REF**#174  -  [NPTH]  5.1 135 0 top
REF**#175  -  [NPTH]  0.9 9 0 top
REF**#176  -  [NPTH]  135 138.9 0 top
REF**#177  -  [NPTH]  42.29 70.8 0 top
REF**#178  -  [NPTH]  38.54 70.8 0 top
REF**#179  -  [NPTH]  141.7 135 0 top
REF**#180  -  [NPTH]  9.2 39.28 0 top
REF**#181  -  [NPTH]  3 9 0 top
REF**#182  -  [NPTH]  101.04 134.8 0 top
REF**#183  -  [NPTH]  9 4.4 0 top
REF**#184  -  [OSHW-Symbol_6.7x6mm_SilkScreen]  91.4 23.57 0 top
REF**#185  -  [NPTH]  73.2 37.78 0 top
REF**#186  -  [NPTH]  106.29 70.8 0 top
REF**#187  -  [NPTH]  9 142.4 0 top
REF**#188  -  [NPTH]  134.8 39.27 0 top
REF**#189  -  [NPTH]  135 1.6 0 top
REF**#190  -  [NPTH]  43.04 73.2 0 top
REF**#191  -  [NPTH]  43.04 70.8 0 top